# Altium PCB pcb.PcbDoc (continued)
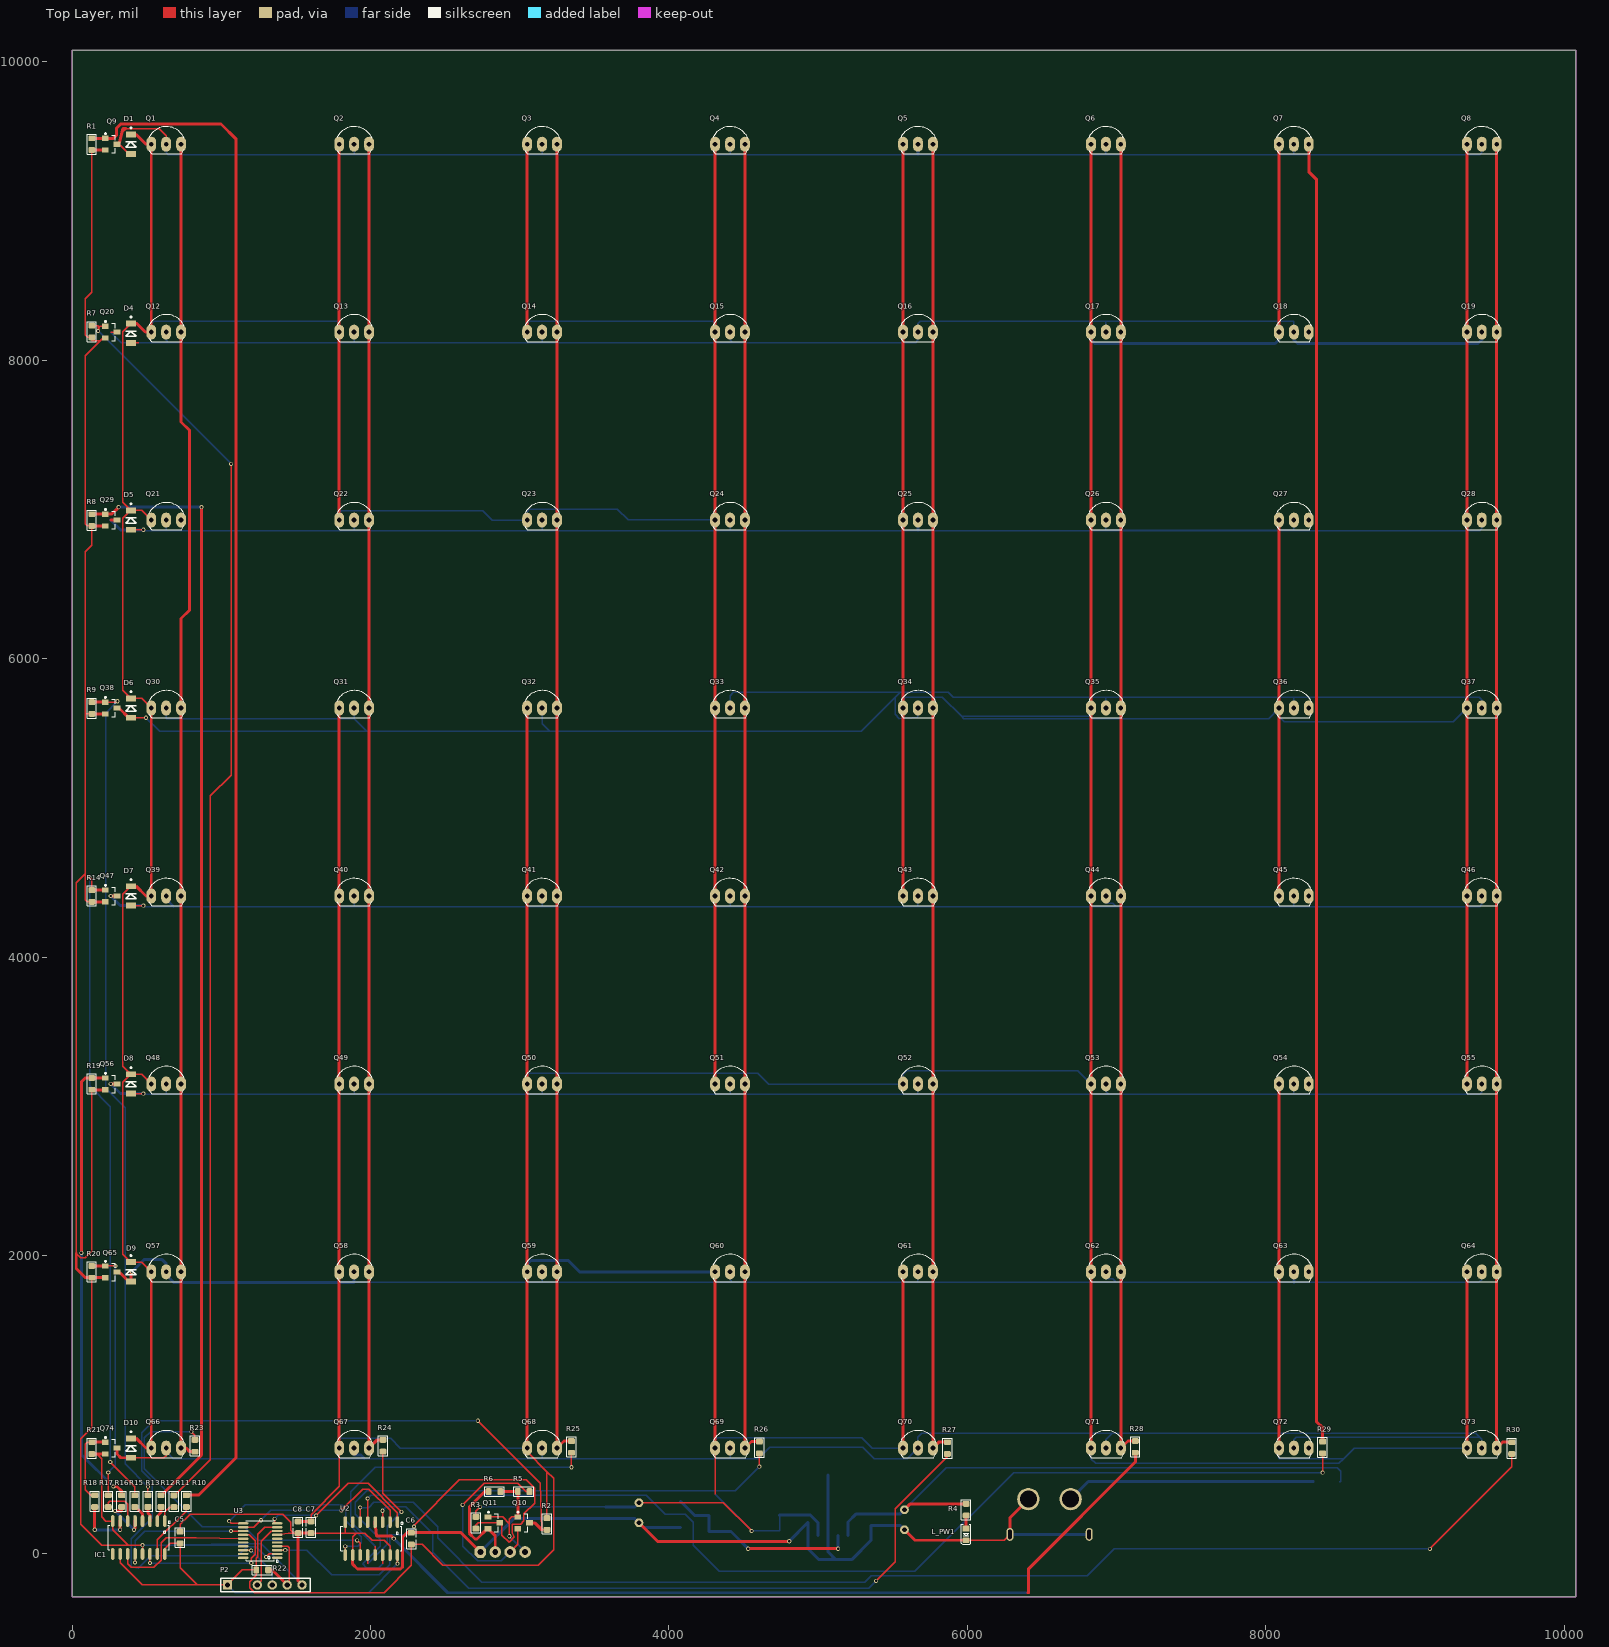
[diagram p0: Top Layer view]
## Footprints (in the part's own frame and the unit in brackets; to place one, negate y for a bottom-side part, rotate by r counter-clockwise, add the part's x,y. Pads: shape width x height; smd on the part's side, far side on the other; paste and mask are expansions set on the pad) (continued)
D_SMA [mm] "SMA Molded Diode, 2-Leads, Body 4.3x2.7mm, SOD-128"
  rect 2.2x1.6 smd: 1(-2.2,0)
  rrect50% 2.2x1.6 smd: 2(2.2,0)
  silkscreen extent -2.4,-1.5 2.88,1.5, body extent -2.75,-1.4 2.75,1.4, height 2.6
"Header Code Nuvoton 2.54 6P" [mm]
  rect 1.6x1.6 hole 0.9: 1(-6.35,0)
  round 1.6 on Top Overlay: 2(-3.81,0)
  round 1.6 hole 0.9: 3(-1.27,0) 4(1.27,0) 5(3.81,0) 6(6.35,0)
  silkscreen extent -7.49,-1.14 7.75,1.14
"LED 0805 Red" [mm]
  rect 1x1.2 smd: 1(-1,0)
  rrect50% 1x1.2 smd: 2(1,0)
  silkscreen extent -1.7,-0.8 1.7,0.8, body extent -1,-0.63 1,0.63, height 0.9
QTO-92 [mil] "TO-92"
  oval 66x100 hole 32: 1(-100,0) 2(0,0) 3(100,0)
  silkscreen extent -117,-65 120,118, body extent -109,-66 109,95, height 245
RES-SMD-0805 [mm]
  rrect50% 1x1.2 smd paste-0.1 mask+0.075: 1(-1,0) 2(1,0)
  Top Layer pour cut-out: -0.5,0.697 0.5,0.697 0.5,-0.713 -0.5,-0.713
  silkscreen extent -1.7,-0.8 1.7,0.8, body extent -1.15,-0.67 1.15,0.67, height 0.76
SO_16 [mm] "SOP, SOIC, 3.9mm width, 1.27mm pitch,"
  oval 2x0.6 smd: 1(-2.8,4.445) 2(-2.8,3.175) 3(-2.8,1.905) 4(-2.8,0.635) 5(-2.8,-0.635) 6(-2.8,-1.905) 7(-2.8,-3.175) 8(-2.8,-4.445) 9(2.8,-4.445) 10(2.8,-3.175) 11(2.8,-1.905) 12(2.8,-0.635) 13(2.8,0.635) 14(2.8,1.905) 15(2.8,3.175) 16(2.8,4.445)
  silkscreen extent -2.8,-5.2 2.1,5.4, body extent -3.1,-4.95 3.1,4.95, height 1.7
SOD80C_MFG [mm]
  rect 1x1.7 smd: 1(-1.65,0) 2(1.65,0)
  silkscreen extent -2.9,-0.89 0.51,0.89, body extent -1.75,-0.8 1.75,0.8, height 1.6
SOG65_20 [mm] "PW TSSOP (TI), MO-153-AC (JEDEC), 20Lead, pitch: 0.65mm, 6.5x4.4x1.2mm"
  oval 1.8x0.4 smd mask+0.075: 1(-2.9,2.925) 2(-2.9,2.275) 3(-2.9,1.625) 4(-2.9,0.975) 5(-2.9,0.325) 6(-2.9,-0.325) 7(-2.9,-0.975) 8(-2.9,-1.625) 9(-2.9,-2.275) 10(-2.9,-2.925) 11(2.9,-2.925) 12(2.9,-2.275) 13(2.9,-1.625) 14(2.9,-0.975) 15(2.9,-0.325) 16(2.9,0.325) 17(2.9,0.975) 18(2.9,1.625) 19(2.9,2.275) 20(2.9,2.925)
  silkscreen extent -3.1,-3.4 2.4,3.73, body extent -3.2,-3.25 3.2,3.25, height 1.2
"SOT23_N NXP" [mil] "SOT23, 3-Leads, Body 3x1.4mm, Pitch 0.95mm, IPC Medium Density"
  rect 45x35 smd: 1(-39.37,39.37) 2(-39.37,-39.37) 3(39.37,0)
  silkscreen extent -42,-59 28,76, body extent -50,-59 50,59, height 39
TO-263-5 [mil]
  rect 40x140 smd paste+0 mask+0: 1(-134.02,-202.85) 2(-67.01,-202.85) 3(0,-202.85) 4(67.01,-202.85) 5(134.02,-202.85)
  rect 419.69x329.92 smd paste+0 mask+0: 3(0,202.85)
  silkscreen extent -201,-208 201,23, body extent -193,-231 193,343, height 166
XH2.54_4P_RA [mm]
  oct 2x2 hole 1: 1(-3.81,0)
  round 2 hole 1: 2(-1.27,0) 3(1.27,0) 4(3.81,0)
  silkscreen extent -6.25,0.9 6.25,7.8, body extent -6.15,-0.34 6.15,7.7, height 5.84

## Part data
C1: library part "Cap Pol 470uF/35V", "Polarized Capacitor (Axial) 470uF 35V", Code=1402-231
C2 C4 C5 C6 C8: library part "Cap 0805 104 100nF", "Cap SMD 0805 104-100nF-0.1uF 50V", Code=1438-080
C3: library part "Cap Pol 220uF/35V", "Polarized Capacitor (Axial) 220uF 35V", Code=1402-228
C7: library part "Cap 0805 10uF 25V", "Cap SMD 0805 10uF", Code=1436-100
D1 D4 D5 D6 D7 D8 D9 D10: "0.2A, 100V, SOD80", Code=2001-012, Designed by=Nhox
D2 D3: library part SS34-SMA, "Surface-Mount Schottky Barrier Rectifier", Code=2005-008
IC1: library part "74HC595 SMD SO16", "Shift Register Single 8-Bit Serial to Serial/Parallel 16-Pin SOIC T/R", Code=5001-017, Designed by=nhox
L1: library part "IND CDRH127 1280-680 68uH", "CDRH127 Cu?n C?m Dán SMD 1280-680 68uH 3.2A", Code=1522-003
L_PW1: library part "LED 0805 RED", "LED 0805 SMD RED", Code=8600-017, Designed by=TranLuyen
P1: library part XH2.54_4P_RA, "XH2.54 RA", Code=3509-012
P2: library part "Header Code Nuvoton", "Header 6-5Pin"
Q1 Q2 Q3 Q4 Q5 Q6 Q7 Q8 Q12 Q13 Q14 Q15 Q16 Q17 Q18 Q19 Q21 Q22 Q23 Q24 Q25 Q26 Q27 Q28 Q30 Q31 Q32 Q33 Q34 Q35 Q36 Q37 Q39 Q40 Q41 Q42 Q43 Q44 Q45 Q46 Q48 Q49 Q50 Q51 Q52 Q53 Q54 Q55 Q57 Q58 Q59 Q60 Q61 Q62 Q63 Q64 Q66 Q67 Q68 Q69 Q70 Q71 Q72 Q73: library part "hall sensor A3144", "Sensitive Hall Effect Switches for High-Temperature Operation 4.5-24V", Code=6110-015, ComponentLink1Description=Datasheet, ComponentLink1URL=https://www.elecrow.com/download/A3141-2-3-4-Datasheet.pdf
Q9 Q20 Q29 Q38 Q47 Q56 Q65 Q74: library part "S8050 SOT-23", "J3Y-NPN SMD Transistor SOT23", Code=1701-070
Q10 Q11: library part "BSS138L SOT23", "Power MOSFET 200 mA, 50V, N-Channel SOT23", Code=1901-076
R1 R7 R8 R9 R10 R11 R12 R13 R14 R15 R16 R17 R18 R19 R20 R21 R23 R24 R25 R26 R27 R28 R29 R30: library part "Res 1k 0805", "Resistor SMD 0805", Code=1024-086
R2 R3 R4 R5 R6 R22: library part "Res 10k 0805", "Resistor SMD 0805", Code=1024-111
U1: "Vin 4.5-40VDC, Vout 5VDC, Iout MAX 3A", Code=5101-052
U2: library part 74HC165-SOIC-16, "IC Shift Register 1 Element 8 Bit, Complementary 16-SOIC", Code=5001-007, Designed by=nhox
U3: "MS51FB9AE, ROM 16KB, RAM 256B + 1KB, SPROM 128B, 1T 8051-based CMOS up to 24Mhz", Code=7201-019, Designed by=Nhox

## Via types
v1: diameter 27.56, hole 15.75, Top Layer to Bottom Layer, 59 vias

## Nets (pads, with @x,y where several pads share a name; then routed paths per layer and width w, separated by ;. In a path a pad name is that pad's centre, name@x,y a point inside that pad or via, vN(x,y) a via of type N, cw(c..) or ccw(c..) an arc to the next point about the centre after c; other vN are vias at no path point)
+3V3: P1.4 Q10.1 Q11.1 R5.2 R6.2 | length 774.9
  Top Layer w10: Q11.1 2885.19,247.2 2930.41,201.98 ; v1(2930.41,117.45) 2930.41,201.98 ; Q10.1 2944.79,247.2 2930.41,232.82 2930.41,201.98
  Top Layer w20: R6.2 2928.19,416.8 2928.51,416.48 R5.2 2986.9,331.82 Q10.1
  Bottom Layer w10: v1(2930.41,117.45) P1.4
+5: C3.1 C4.2 C5.2 C6.2 C7.1 C8.1 D1.1 D4.1 D5.1 D6.1 D7.1 D8.1 D9.1 D10.1 IC1.10 IC1.16 L1.2 P2.1 Q1.1 Q2.1 Q3.1 Q4.1 Q5.1 Q6.1 Q7.1 Q8.1 Q12.1 Q13.1 Q14.1 Q15.1 Q16.1 Q17.1 Q18.1 Q19.1 Q21.1 Q22.1 Q23.1 Q24.1 Q25.1 Q26.1 Q27.1 Q28.1 Q30.1 Q31.1 Q32.1 Q33.1 Q34.1 Q35.1 Q36.1 Q37.1 Q39.1 Q40.1 Q41.1 Q42.1 Q43.1 Q44.1 Q45.1 Q46.1 Q48.1 Q49.1 Q50.1 Q51.1 Q52.1 Q53.1 Q54.1 Q55.1 Q57.1 Q58.1 Q59.1 Q60.1 Q61.1 Q62.1 Q63.1 Q64.1 Q66.1 Q67.1 Q68.1 Q69.1 Q70.1 Q71.1 Q72.1 Q73.1 R2.2 R3.2 R22.1 U1.4 U2.16 U3.9 | length 93904.2
  Top Layer w10: IC1.10 321.3,-59.29 470.67,-208.66 838.19,-208.66 ; D7.1 340.19,4420.46 340.19,3268.51 D8.1 ; D4.1 340.19,8192.12 340.19,7048.04 D5.1 ; Q57.1 464.96,1954.72 D9.1 340.19,2008.67 340.19,3160.62 D8.1 ; Q48.1 464.96,3214.57 D8.1 ; Q30.1 464.96,5734.25 D6.1 340.19,5788.2 340.19,6940.15 D5.1 ; Q21.1 464.96,6994.09 D5.1 ; IC1.16 621.3,33.31 657.68,69.7 C5.2 723.75,-94.23 838.19,-208.66 ; U3.9 1291.33,177.96 1244.03,130.66 1244.03,-20.99 1234.12,-30.9 R22.1 ; C7.1 1601.18,262.82 1789.76,451.4 Q67.1 ; v1(2180.19,-66.18) 2180.44,-65.93 U2.16 ; R3.2 2706.3,285.82 v1(2734.6,314.12) ; Q68.1 3049.61,682.4 3182.6,549.4 ; R2.2 3182.6,549.4 ; C3.1 4365.58,341.68 v1(4554.45,152.82) ; 4309.45,397.82 Q69.1 ; 838.19,-208.66 P2.1 1141.1,-108.45 R22.1 ; R22.1 1234.12,-142.25 1189.19,-187.18 1189.19,-227.18 1222.19,-260.18 2091.39,-260.18 2273.09,-78.49 C6.2 2345.19,62.51 2482.88,-75.18 3125.19,-75.18 3227.19,26.82 3227.19,504.82 3182.6,549.4
  Top Layer w20: D10.1 429.19,773.62 494.15,708.66 Q66.1 Q57.1 ; D7.1 429.19,4474.41 494.15,4409.45 Q39.1 Q30.1 ; D4.1 433.19,8246.06 490.27,8188.98 Q12.1 Q1.1 494.15,9448.82 429.19,9513.78 D1.1 ; C8.1 C7.1 ; Q67.1 Q58.1 Q49.1 1789.19,3149.61 1789.19,4309.24 1789.76,4309.82 Q40.1 Q31.1 ; Q22.1 Q13.1 Q2.1 ; Q68.1 Q59.1 Q50.1 Q41.1 Q32.1 ; Q14.1 Q3.1 ; Q69.1 Q60.1 ; Q51.1 Q42.1 Q33.1 4309.19,5669.29 4309.19,6911.56 4309.45,6911.82 Q24.1 Q15.1 4309.19,8188.98 4309.19,9431.56 4309.45,9431.82 Q4.1 ; Q70.1 Q61.1 ; Q43.1 Q34.1 Q25.1 Q16.1 Q5.1 ; Q71.1 Q62.1 Q53.1 Q44.1 Q35.1 Q26.1 Q17.1 Q6.1 ; Q72.1 Q63.1 Q54.1 ; Q45.1 Q36.1 Q27.1 ; Q18.1 Q7.1 ; Q73.1 Q64.1 ; Q55.1 Q46.1 Q37.1 9348.19,5669.29 9348.19,6820.19 9348.82,6820.82 Q28.1 Q19.1 Q8.1
  Bottom Layer w10: Q12.1 529.92,8246.55 545.19,8261.82 1775.19,8261.82 1789.76,8247.24 Q13.1 ; P2.1 1092.41,-260.18 1986.19,-260.18 v1(2180.19,-66.18) ; Q67.1 1789.76,762.82 1799.76,772.82 2136.19,772.82 2200.19,708.82 3049.61,708.82 Q68.1 ; Q22.1 1799.76,6992.82 2753.19,6992.82 2817.19,6928.82 3049.61,6928.82 Q23.1 3049.61,6986.24 3065.19,7001.82 3654.19,7001.82 3726.19,6929.82 4309.45,6929.82 Q24.1 ; v1(2734.6,314.12) C4.2 ; Q50.1 3049.61,3206.24 3065.19,3221.82 4309.45,3221.82 ; Q14.1 3049.61,8246.24 3065.19,8261.82 4295.19,8261.82 4309.45,8247.56 Q15.1 ; 4309.45,397.82 v1(4554.45,152.82) 4742.02,152.82 L1.2 ; Q69.1 4309.45,763.08 4325.19,778.82 5292.19,778.82 5363.19,707.82 5569.29,707.82 Q70.1 ; Q51.1 4309.45,3221.82 ; Q34.1 5569.29,5725.92 5585.19,5741.82 5833.19,5741.82 5962.24,5612.76 ; Q71.1 6829.13,637.82 6861.13,605.82 8491.19,605.82 8523.19,637.82 ; Q53.1 6829.13,3149.82 6741.13,3237.82 5594.29,3237.82 5569.29,3212.82 Q52.1 5569.29,3148.82 4669.19,3148.82 4596.19,3221.82 4309.45,3221.82 ; Q35.1 6829.13,5612.76 5962.24,5612.76 ; Q72.1 8088.98,637.82 8523.19,637.82 ; Q36.1 Q36.1@8088.98,5668.82 ; Q73.1 9348.82,708.82 8594.19,708.82 8523.19,637.82 ; Q37.1 9348.82,5668.82 9256.82,5576.82 8124.98,5576.82 8088.98,5612.82 Q36.1@8088.98,5668.82 ; 5962.24,5612.76 5976.19,5598.82 8018.98,5598.82 Q36.1@8088.98,5668.82
  Bottom Layer w20: Q59.1 3049.61,1940.24 3075.19,1965.82 3325.19,1965.82 3402.19,1888.82 4309.45,1888.82 Q60.1 ; C4.2 3771.65,314.12 C3.1 ; L1.2 4742.02,258.82 4949.19,258.82 4999.92,208.09 U1.4 ; Q17.1 6829.13,8137.82 6854.13,8112.82 8063.98,8112.82 8088.98,8137.82 Q18.1
+24: C1.1 C2.2 D2.2 R4.1 U1.1 | length 4064
  Top Layer w20: C1.1 5618.19,334.86 R4.1
  Bottom Layer w10: C1.1 5859.15,575.82 8481.19,575.82 8504.19,552.82 8504.19,484.25 D2.2
  Bottom Layer w20: U1.1 5200.94,212.82 5256.06,267.93 C2.2 5551.26,267.93 C1.1
+24IN: CN1.2 D2.1 | length 1674.8
  Bottom Layer w20: CN1.2 6810.79,484.25 D2.1
CLK_I: U2.2 U3.12 | length 1228.3
  Top Layer w10: U3.12 1218.33,177.96 v1(1265.19,224.82) ; v1(1804.19,290.82) 1946.19,432.82 1989.23,432.82 2130.44,291.61 U2.2
  Bottom Layer w10: v1(1265.19,224.82) 1331.19,290.82 v1(1804.19,290.82)
CLK_O: IC1.11 U3.15 | length 1000.2
  Top Layer w10: IC1.11 371.3,-67.18 395.3,-91.18 547.19,-91.18 596.19,-42.18 596.19,72.82 631.19,107.82 831.56,107.82 U3.15
D0: Q1.3 Q12.3 Q30.3 Q39.3 Q48.3 Q57.3 Q66.3 R23.2 | length 8890.6
  Top Layer w20: Q1.3 Q12.3 729.92,7587.09 787.19,7529.82 787.19,6327.09 729.92,6269.82 Q30.3 Q39.3 Q48.3 Q57.3 Q66.3 764.19,708.66 788.56,684.29 R23.2
D1: Q2.3 Q13.3 Q22.3 Q31.3 Q40.3 Q49.3 Q58.3 Q67.3 R24.2 | length 8855.9
  Top Layer w20: Q2.3 Q13.3 Q22.3 Q31.3 Q40.3 Q49.3 Q58.3 Q67.3 2044.89,763.78 R24.2
D2: Q3.3 Q14.3 Q23.3 Q32.3 Q41.3 Q50.3 Q59.3 Q68.3 R25.2 | length 8856.6
  Top Layer w20: Q3.3 Q14.3 Q23.3 Q32.3 Q41.3 Q50.3 Q59.3 Q68.3 3296.85,755.91 R25.2
D3: Q4.3 Q15.3 Q24.3 Q33.3 Q42.3 Q51.3 Q60.3 Q69.3 R26.2 | length 8854.9
  Top Layer w20: Q4.3 Q15.3 Q24.3 Q33.3 Q42.3 Q51.3 Q60.3 Q69.3 4552.66,751.87 R26.2
D4: Q5.3 Q16.3 Q25.3 Q34.3 Q43.3 Q52.3 Q61.3 Q70.3 R27.2 | length 8853.3
  Top Layer w20: Q5.3 Q16.3 Q25.3 Q34.3 Q43.3 Q52.3 Q61.3 Q70.3 5808.66,748.03 R27.2
D5: Q6.3 Q17.3 Q26.3 Q35.3 Q44.3 Q53.3 Q62.3 Q71.3 R28.2 | length 8856.6
  Top Layer w20: Q6.3 Q17.3 Q26.3 Q35.3 Q44.3 Q53.3 Q62.3 Q71.3 7076.38,755.91 R28.2
D6: Q7.3 R29.2 | length 8735.3
  Top Layer w20: Q7.3 8288.98,9263.82 8342.19,9210.61 8342.19,883.82 8381.89,844.12 R29.2
D7: Q8.3 Q19.3 Q28.3 Q37.3 Q46.3 Q55.3 Q64.3 Q73.3 R30.2 | length 8857.3
  Top Layer w20: Q8.3 Q19.3 Q28.3 Q37.3 Q46.3 Q55.3 Q64.3 Q73.3 9588.19,748.03 R30.2
DAT_I: U2.9 U3.11 | length 1383.5
  Top Layer w10: v1(1052.19,218.82) 1067.45,203.55 U3.11 ; U2.9 v1(1830.44,49.82)
  Bottom Layer w10: v1(1052.19,218.82) 1161.19,327.82 1805.19,327.82 1833.19,299.82 1833.19,220.82 1938.19,115.82 1938.19,72.82 1915.19,49.82 v1(1830.44,49.82)
DAT_O: IC1.14 U3.14 | length 996
  Top Layer w10: v1(521.3,-62.18) IC1.14 ; U3.14 1185.19,126.78 1226.03,85.94 1226.03,-2.81 1200.19,-28.65 v1(1200.19,-62.18)
  Bottom Layer w10: v1(521.3,-62.18) v1(1200.19,-62.18)
GND: C1.2 C2.1 C3.2 C4.1 C5.1 C6.1 C7.2 C8.2 CN1.1 CN1.3 CN1.4 D3.1 IC1.8 IC1.13 L_PW1.2 P1.1 P2.6 Q9.2 Q20.2 Q29.2 Q38.2 Q47.2 Q56.2 Q65.2 Q74.2 R1.2 R7.2 R8.2 R9.2 R14.2 R19.2 R20.2 R21.2 U1.3 U1.5 U2.8 U2.10 U2.15 U3.7 | length 24300.9
  Top Layer w10: R21.2 165.19,669.29 197.19,637.29 197.19,246.82 225.19,218.82 IC1.8@271.3,218.82 ; R20.2 131.38,843.82 57.19,769.63 57.19,198.93 198.3,57.82 376.19,57.82 ; R19.2 131.38,2027.56 87.19,1983.37 56.63,1983.37 27.19,2012.82 27.19,4496.82 87.19,4556.82 ; R14.2 99.93,4370.07 87.19,4382.82 87.19,4556.82 ; R9.2 87.19,5629.92 ; R1.2 131.38,8456.01 87.19,8411.82 87.19,8171.54 105.19,8153.54 R7.2 131.38,8130.86 188.81,8130.86 ; Q20.2 207.55,8149.61 188.81,8130.86 ; IC1.8 IC1.8@271.3,218.82 ; IC1.13 v1(471.3,57.82) 376.19,57.82 ; C5.1 723.75,197.33 792.24,265.82 1411.19,265.82 1464.19,212.82 1464.19,159.25 1485.19,138.25 ; U3.7 1449.66,138.25 1485.19,138.25 ; C8.2 1485.19,138.25 ; C7.2 1830.44,138.25 ; U2.8 1830.44,138.25 ; U2.10 1880.44,113.51 1905.19,138.25 ; U2.15 2130.44,49.82 2090.22,90.04 2010.41,90.04 1962.19,138.25 1905.19,138.25 ; L_PW1.2 6246.06,90.77 CN1.4 ; 87.19,4556.82 87.19,5629.92 ; 87.19,5629.92 87.19,6715.63 131.38,6759.82 R8.2 100.25,6889.76 87.19,6902.82 87.19,8029.24 188.81,8130.86 ; IC1.8@271.3,218.82 271.3,162.71 376.19,57.82 ; 1830.44,138.25 1905.19,138.25
  Top Layer w20: 27.19,2012.82 27.19,1912.82 89.62,1850.39 R20.2 175.19,1850.39 Q65.2 ; R21.2 197.19,669.29 Q74.2 ; R19.2 175.19,3110.24 Q56.2 ; R14.2 175.19,4370.08 Q47.2 ; R9.2 175.19,5629.92 Q38.2 ; R8.2 175.19,6889.76 Q29.2 ; R1.2 175.19,9409.45 Q9.2 ; P2.6 1514.57,-182.34 C8.2 C7.2 ; U2.10 1880.44,-69.44 1912.19,-101.18 2201.19,-101.18 2215.19,-87.18 2215.19,112.82 2243.62,141.25 C6.1 2606.6,141.25 P1.1 ; C3.2 3923.22,83.82 v1(4806.19,83.82) ; C1.2 5649.69,90.77 L_PW1.2 ; CN1.4 6285.43,242.35 CN1.1
  Bottom Layer w10: P2.6 1265.63,66.6 1163.19,66.6 ; 1163.19,66.6 v1(471.3,57.82) 1154.41,57.82 1163.19,66.6
  Bottom Layer w20: P1.1 2959.18,235.38 C4.1 3771.65,235.38 C3.2 3829.65,177.38 D3.1 ; v1(4806.19,83.82) 4932.91,210.54 U1.5 4932.91,33.54 5005.64,-39.18 5118.93,-39.18 ; U1.3@5066.93,527.87 5066.93,122.16 5066.93,12.82 5118.93,-39.18 ; C1.2 5551.26,189.19 C2.1 5354.33,89.96 5225.19,-39.18 5118.93,-39.18 ; CN1.4 CN1.3
ICP_CLK: P2.4 U3.18 | length 343.8
  Top Layer w10: U3.18 1196.59,24.42 v1(1199.19,21.82)
  Bottom Layer w10: v1(1199.19,21.82) 1340.89,-119.88 P2.4
ICP_DA: P2.3 U3.8 | length 438.9
  Top Layer w10: P2.3 1267.19,-182.36 1267.19,84.37 1335.19,152.37 U3.8
LAT_I: U2.1 U3.10 | length 1114.3
  Top Layer w10: v1(1357.19,233.82) 1357.19,203.55 U3.10 ; v1(1635.19,256.82) 1850.19,471.82 1985.19,471.82 2180.44,276.56 U2.1
  Bottom Layer w10: v1(1357.19,233.82) 1380.19,256.82 v1(1635.19,256.82)
LAT_O: IC1.12 U3.13 | length 955.4
  Top Layer w10: v1(421.19,-58.73) 421.3,-58.62 IC1.12 ; v1(1064.19,152.37) U3.13
  Bottom Layer w10: v1(421.19,-58.73) 421.19,87.82 485.74,152.37 v1(1064.19,152.37)
NetD1_2: D1.2 Q1.2 Q2.2 Q3.2 Q4.2 Q5.2 Q6.2 Q7.2 Q8.2 Q9.3 | length 10075.7
  Top Layer w10: D1.2 379.15,9383.86 314.19,9448.82 340.19,9532.82 360.83,9553.46 582.54,9553.46 629.92,9506.09 Q1.2
  Top Layer w20: Q9.3 314.19,9448.82 340.19,9553.46 360.83,9553.46
  Bottom Layer w10: Q1.2 629.92,9392.82 643.92,9378.82 1889.76,9378.82 ; Q2.2 1889.76,9378.82 ; Q3.2 3149.61,9378.82 ; Q4.2 4409.45,9378.82 ; Q6.2 6929.13,9378.82 ; Q7.2 8188.98,9378.82 ; Q8.2 9448.82,9392.45 9435.19,9378.82 8188.98,9378.82 ; 1889.76,9378.82 3149.61,9378.82 ; 3149.61,9378.82 4409.45,9378.82 ; 4409.45,9378.82 5669.29,9378.82 6929.13,9378.82 ; 6929.13,9378.82 8188.98,9378.82
  Bottom Layer w20: 5669.29,9378.82 Q5.2
NetD3_2: D3.2 L1.1 U1.2 | length 1338.8
  Top Layer w20: v1(4531.19,33.82) v1(5133.94,33.82)
  Bottom Layer w20: D3.2 4171.26,258.09 L1.1 4269.58,148.82 4416.19,148.82 v1(4531.19,33.82) ; v1(5133.94,33.82) U1.2
NetD4_2: D4.2 Q12.2 Q13.2 Q14.2 Q15.2 Q16.2 Q17.2 Q18.2 Q19.2 Q20.3 | length 11258.3
  Top Layer w10: 259.03,8188.98 Q20.3 ; D4.2 446.19,8116.14
  Bottom Layer w10: 259.03,8188.98 329.19,8118.82 446.19,8118.82 ; 446.19,8116.14 446.19,8118.82 ; Q12.2 629.92,8132.82 643.92,8118.82 ; Q13.2 1889.76,8118.82 ; Q14.2 3149.61,8118.82 ; Q15.2 4409.45,8137.82 4423.45,8118.82 ; Q17.2 6929.13,8260.82 ; Q18.2 8188.98,8261.82 ; 446.19,8118.82 643.92,8118.82 ; 643.92,8118.82 1889.76,8118.82 ; 1889.76,8118.82 3149.61,8118.82 ; 3149.61,8118.82 4423.45,8118.82 ; 4423.45,8118.82 5655.29,8118.82 5669.29,8132.82 Q16.2 5669.29,8244.92 5685.19,8260.82 6929.13,8260.82 ; 6929.13,8260.82 6929.13,8261.82 8188.98,8261.82 ; 6929.13,8260.82 8188.98,8261.82
  Bottom Layer w20: Q18.2 8188.98,8137.82 8213.98,8112.82 9423.82,8112.82 9448.82,8137.82 Q19.2
NetD5_2: D5.2 Q21.2 Q22.2 Q23.2 Q24.2 Q25.2 Q26.2 Q27.2 Q28.2 Q29.3 | length 12403
  Top Layer w10: D5.2 v1(477.19,6864.17)
  Top Layer w20: 258.5,6929.13 Q29.3
  Bottom Layer w10: v1(477.19,6864.17) 477.19,6863.82 482.54,6858.82 629.92,6858.82 ; Q21.2 629.92,6858.82 ; Q22.2 1889.76,6858.82 ; Q23.2 3149.61,6858.82 ; Q24.2 4409.45,6858.82 ; Q26.2 6929.13,6860.22 8188.98,6859.51 ; Q27.2 8188.98,6859.51 ; Q28.2 9448.82,6872.45 9435.19,6858.82 ; 629.92,6858.82 1889.76,6858.82 ; 1889.76,6858.82 3149.61,6858.82 ; 3149.61,6858.82 4409.45,6858.82 ; 4409.45,6858.82 5669.29,6858.82 9435.19,6858.82 ; 8188.98,6859.51 9435.19,6858.82
  Bottom Layer w20: 258.5,6929.13 258.19,6928.82 323.19,6863.82 v1@477.19,6863.82 ; 5669.29,6858.82 Q25.2
NetD6_2: D6.2 Q30.2 Q31.2 Q32.2 Q33.2 Q34.2 Q35.2 Q36.2 Q37.2 Q38.3 | length 12814.2
  Top Layer w10: D6.2 v1(494.68,5604.33)
  Top Layer w20: Q38.3 314.19,5669.29 379.15,5604.33 D6.2
  Bottom Layer w10: v1(494.68,5604.33) 586.19,5512.82 1975.76,5512.82 ; Q30.2 629.92,5598.82 1889.76,5598.82 ; Q31.2 1889.76,5598.82 ; Q32.2 3149.61,5562.82 3199.61,5512.82 ; Q33.2 4409.45,5752.82 4430.45,5773.82 5550.19,5773.82 ; Q34.2 5669.29,5608.92 5545.19,5598.82 5516.19,5627.82 5516.19,5739.82 ; Q35.2 6929.13,5741.82 ; Q36.2 8188.98,5741.82 ; Q37.2 9448.82,5726.19 9433.19,5741.82 8188.98,5741.82 ; 1889.76,5598.82 1975.76,5512.82 ; 1975.76,5512.82 3199.61,5512.82 ; 3199.61,5512.82 5289.19,5512.82 5516.19,5739.82 ; 5516.19,5739.82 5550.19,5773.82 ; 5550.19,5773.82 5873.19,5773.82 5905.19,5741.82 6929.13,5741.82 ; 6929.13,5741.82 8188.98,5741.82
NetD7_2: D7.2 Q39.2 Q40.2 Q41.2 Q42.2 Q43.2 Q44.2 Q45.2 Q46.2 Q47.3 | length 9977.3
  Top Layer w10: D7.2 v1(477.19,4344.49)
  Top Layer w20: v1(258.19,4409.45) Q47.3
  Bottom Layer w10: v1(477.19,4344.49) 482.86,4338.82 679.19,4338.82 1889.76,4338.82 ; Q40.2 1889.76,4338.82 ; Q41.2 3149.61,4338.82 ; Q42.2 4409.45,4338.82 ; Q43.2 5669.29,4338.82 ; Q44.2 6929.13,4361.82 6975.19,4361.82 6998.19,4338.82 ; Q45.2 8188.98,4338.82 ; Q46.2 9448.82,4352.45 9435.19,4338.82 8188.98,4338.82 ; 1889.76,4338.82 3149.61,4338.82 ; 3149.61,4338.82 4409.45,4338.82 ; 4409.45,4338.82 5669.29,4338.82 ; 5669.29,4338.82 6998.19,4338.82 ; 6998.19,4338.82 8188.98,4338.82
  Bottom Layer w20: v1(258.19,4409.45) 322.82,4344.82 446.19,4344.82 v1(477.19,4344.49) ; Q39.2 629.92,4388.09 679.19,4338.82
NetD8_2: D8.2 Q48.2 Q49.2 Q50.2 Q51.2 Q52.2 Q53.2 Q54.2 Q55.2 Q56.3 | length 9911
  Top Layer w10: D8.2 v1(477.19,3084.64)
  Top Layer w20: v1(258.19,3149.61) Q56.3
  Bottom Layer w10: v1(477.19,3084.64) 483.01,3078.82 629.92,3078.82 ; Q48.2 629.92,3078.82 ; Q49.2 1889.76,3078.82 ; Q50.2 3149.61,3078.82 ; Q51.2 4409.45,3078.82 ; Q52.2 5669.29,3078.82 ; Q53.2 6929.13,3098.82 6949.13,3078.82 ; Q54.2 8188.98,3078.82 ; Q55.2 9448.82,3092.45 9435.19,3078.82 8188.98,3078.82 ; 629.92,3078.82 1889.76,3078.82 ; 1889.76,3078.82 3149.61,3078.82 ; 3149.61,3078.82 4409.45,3078.82 ; 4409.45,3078.82 5669.29,3078.82 ; 5669.29,3078.82 6949.13,3078.82 ; 6949.13,3078.82 8188.98,3078.82
  Bottom Layer w20: v1(258.19,3149.61) 322.98,3084.82 446.19,3084.82 v1(477.19,3084.64)
NetD9_2: D9.2 Q57.2 Q58.2 Q59.2 Q60.2 Q61.2 Q62.2 Q63.2 Q64.2 Q65.3 | length 9928.2
  Top Layer w20: Q65.3 314.19,1889.76 379.15,1824.8 D9.2 394.13,1882.76 v1(401.19,1889.82)
  Bottom Layer w10: 1889.76,1818.82 3149.61,1818.82 ; Q59.2 3149.61,1818.82 ; Q60.2 4409.45,1835.34 4425.97,1818.82 ; Q61.2 5669.29,1818.82 ; Q62.2 6929.13,1842.82 6975.19,1842.82 6999.19,1818.82 ; Q64.2 9448.82,1837.82 9429.82,1818.82 8188.98,1818.82 6999.19,1818.82 ; 3149.61,1818.82 4425.97,1818.82 ; 4425.97,1818.82 5669.29,1818.82 ; 5669.29,1818.82 6999.19,1818.82
  Bottom Layer w20: v1(401.19,1889.82) 485.19,1973.82 600.19,1973.82 629.92,1944.09 Q57.2 629.92,1869.09 680.19,1818.82 1889.76,1818.82 Q58.2 ; 8188.98,1818.82 Q63.2
NetD10_2: D10.2 Q66.2 Q67.2 Q68.2 Q69.2 Q70.2 Q71.2 Q72.2 Q73.2 Q74.3 | length 11242
  Top Layer w10: D10.2 615.19,643.7 629.92,658.43 Q66.2
  Top Layer w20: Q74.3 299.64,669.24 325.19,643.7 D10.2
  Bottom Layer w10: Q66.2 629.92,686.09 678.19,637.82 1959.19,637.82 3149.61,637.82 ; Q68.2 3149.61,637.82 ; Q69.2 4409.45,637.82 ; Q71.2 6929.13,762.82 6973.13,806.82 ; Q72.2 8188.98,764.61 8205.19,780.82 9435.19,780.82 ; Q73.2 9448.82,767.19 9435.19,780.82 ; 3149.61,637.82 4409.45,637.82 ; 4409.45,637.82 4599.1,637.82 4675.1,713.82 5300.82,713.82 5376.82,637.82 5598.45,637.82 Q70.2 5669.29,780.82 5695.29,806.82 6973.13,806.82 ; 6973.13,806.82 9409.19,806.82 9435.19,780.82
  Bottom Layer w20: Q67.2 1889.76,660.82 1936.19,660.82 1959.19,637.82
NetIC1_1: IC1.1 R11.2 | length 134.7
  Top Layer w10: IC1.1 621.3,280.73 653.3,312.73 R11.2
NetIC1_2: IC1.2 R12.2 | length 104.7
  Top Layer w20: IC1.2 571.3,253.82 595.91,278.43 R12.2
NetIC1_3: IC1.3 R13.2 | length 100.1
  Top Layer w20: R13.2 507.72,272.4 521.3,258.82 IC1.3
NetIC1_4: IC1.4 R15.2 | length 119.3
  Top Layer w20: R15.2 425.33,313.79 471.3,267.82 IC1.4
NetIC1_5: IC1.5 R16.2 | length 311.2
  Top Layer w20: v1(287.19,287.82) 331.34,287.82 R16.2 ; v1(414.19,160.82) 421.3,167.93 IC1.5
  Bottom Layer w20: v1(287.19,287.82) v1(414.19,160.82)
NetIC1_6: IC1.6 R17.2 | length 284.7
  Top Layer w10: R17.2 241.58,342.82 251.58,352.82 351.3,352.82 371.3,332.82 IC1.6
NetIC1_7: IC1.7 R18.2 | length 381.7
  Top Layer w20: v1(151.02,160.82) R18.2 ; v1(321.19,160.82) 321.3,160.93 IC1.7
  Bottom Layer w20: v1(151.02,160.82) v1(321.19,160.82)
NetIC1_15: IC1.15 R10.2 | length 395.3
  Top Layer w10: IC1.15 571.3,92.82 765.2,286.72 R10.2
NetL_PW1_1: L_PW1.1 R4.2 | length 86.7
  Top Layer w20: L_PW1.1 5991.81,211.82 5992.13,212.14 R4.2
NetR23_1: R23.1 U2.11 | length 2338.4
  Top Layer w10: v1(799.19,818.82) 822.84,795.17 R23.1 ; v1(1910.19,89.82) 1930.44,69.56 U2.11
  Bottom Layer w10: v1(799.19,818.82) 525.19,818.82 483.19,776.82 483.19,569.82 871.19,181.82 1152.19,181.82 1244.19,89.82 v1(1910.19,89.82)
NetR24_1: R24.1 U2.12 | length 954
  Top Layer w10: 1980.44,-65.93 U2.12 ; R24.1 2082.67,405.33 v1(2207.19,280.82)
  Bottom Layer w10: 1980.44,-65.93 2110.41,64.04 2110.41,184.04 v1(2207.19,280.82)
NetR25_1: R25.1 U2.13 | length 2137.4
  Top Layer w10: U2.13 2030.44,49.56 ; v1(3346.45,579.82) R25.1
  Bottom Layer w10: 2030.44,49.56 1866.66,213.34 1866.66,416.29 2030.19,579.82 v1(3346.45,579.82)
NetR26_1: R26.1 U2.14 | length 3641.4
  Top Layer w10: 2080.44,-65.93 U2.14 ; v1(4606.3,583.82) R26.1
  Bottom Layer w10: 2080.44,-65.93 2054.19,-92.18 1971.19,-92.18 1946.19,-67.18 2063.97,50.6 2063.97,97.04 1896.66,264.34 1896.66,345.29 1974.19,422.82 4445.3,422.82 v1(4606.3,583.82)
NetR27_1: R27.1 U2.3 | length 4764.2
  Top Layer w10: U2.3 v1(2080.44,288.3) ; v1(5389.19,-181.18) 5518.19,-52.18 5518.19,300.82 5866.14,648.77 R27.1
  Bottom Layer w10: v1(2080.44,288.3) 2106.74,314.6 2237.19,314.6 2416.77,135.01 2416.77,9.42 2657.38,-231.18 5339.19,-231.18 v1(5389.19,-181.18)
NetR28_1: R28.1 U2.4 | length 5854
  Top Layer w20: U2.4 2040.41,120.04 2136.97,120.04 v1(2155.19,101.82) ; 6408.19,-261.18 6411.19,-258.18 6411.19,-100.18 7125.98,614.61 R28.1
  Bottom Layer w20: v1(2155.19,101.82) 2518.19,-261.18 6408.19,-261.18
NetR29_1: R29.1 U2.5 | length 7273.9
  Top Layer w10: U2.5 v1(1980.44,370.82) ; v1(8381.89,543.82) R29.1
  Bottom Layer w10: v1(1980.44,370.82) 2001.44,391.82 3849.19,391.82 3976.19,264.82 4110.19,264.82 4162.19,212.82 4162.19,57.82 4337.41,-117.4 5648.97,-117.4 6310.19,543.82 v1(8381.89,543.82)
NetR30_1: R30.1 U2.6 | length 8504.1
  Top Layer w10: U2.6 v1(1930.44,309.82) ; v1(9100.6,32.82) 9649.6,581.82 R30.1
  Bottom Layer w10: v1(1930.44,309.82) 1987.99,309.82 2022.77,344.6 2287.18,344.6 2449.3,182.48 2449.3,105.82 2744.3,-189.18 5313.63,-189.18 5355.41,-147.4 6804.97,-147.4 6985.19,32.82 v1(9100.6,32.82)
RST: P2.5 R22.2 U3.4 | length 512
  Top Layer w10: U3.4 1408.19,50.01 1410,51.82 1445.19,51.82 1455.19,41.82 1455.19,-194.36 P2.5
  Top Layer w20: R22.2 1340.68,-108.45 P2.5
RX3.3V: P1.2 Q11.2 R6.1 | length 693.1
  Top Layer w20: R6.1 2766.17,416.8 2662.19,312.82 2662.19,137.82 2700.19,99.82 2713.55,99.82 2782.19,168.46 Q11.2 2835.83,120.03 P1.2
RX5V: Q11.3 R3.1 U3.3 | length 3032.9
  Top Layer w10: U3.3 1427.79,24.42 v1(1428.19,24.82) ; v1(2291.19,182.82) 2291.19,191.82 2594.19,494.82 3045.19,494.82 3099.19,440.82 3099.19,339.82 3026.19,266.82 3026.19,219.96 3005.19,198.96 2951.4,198.96 2951.4,137.96 2964.21,112.82 2929.21,77.82 2880.19,122.82 2880.19,207.83 Q11.3 2721.31,207.83 2706.3,192.82 R3.1
  Bottom Layer w10: v1(1428.19,24.82) 1571.19,24.82 1738.19,-142.18 2058.19,-142.18 2128.41,-71.96 2128.41,128.82 2237.19,128.82 v1(2291.19,182.82)
T1: Q9.1 R1.1 R10.1 | length 10350.8
  Top Layer w20: R1.1 175.19,9488.19 Q9.1 275.19,9488.19 295.42,9508.42 295.42,9553.7 325.19,9583.46 997.54,9583.46 1099.19,9481.82 1099.19,645.82 845.9,392.53 R10.1
T2: Q20.1 R7.1 R11.1 | length 8484.2
  Top Layer w10: R7.1 173.19,8232.28 v1(174.19,8196.82) 185.19,8228.35 Q20.1 ; R11.1 688.84,391.47 926.19,628.82 926.19,5079.82 1065.19,5218.82 v1(1065.19,7305.82)
  Bottom Layer w10: v1(174.19,8196.82) v1(1065.19,7305.82)
T3: Q29.1 R8.1 R12.1 | length 7492.8
  Top Layer w20: R8.1 175.19,6968.5 Q29.1 264.19,6968.5 v1(311.5,7015.82) ; R12.1 598.9,392.53 867.19,660.82 v1(867.19,7015.82)
  Bottom Layer w20: v1(311.5,7015.82) v1(867.19,7015.82)
T4: Q38.1 R9.1 R13.1 | length 5646.8
  Top Layer w10: Q38.1 297.03,5708.66 v1(303.19,5714.82) ; R13.1 v1(507.72,449.82)
  Top Layer w20: R9.1 175.19,5708.66 Q38.1
  Bottom Layer w10: v1(303.19,5714.82) 224.19,5635.82 224.19,3120.82 355.19,2989.82 355.19,602.35 v1(507.72,449.82)
T5: Q47.1 R14.1 R15.1 | length 4454.9
  Top Layer w10: v1(117.19,4537.82) 131.38,4523.63 R14.1 ; v1(255.19,614.82) 419.53,450.48 R15.1
  Top Layer w20: R14.1 Q47.1
  Bottom Layer w10: v1(117.19,4537.82) 117.19,3135.82 255.19,2997.82 v1(255.19,614.82)
T6: Q56.1 R16.1 R19.1 | length 3066.9
  Top Layer w20: v1(61.19,2016.82) 61.19,3162.97 87.19,3188.97 R19.1 175.19,3188.98 Q56.1 ; v1(276.19,450.82) 300.19,450.82 331.34,419.66 R16.1
  Bottom Layer w20: v1(61.19,2016.82) 61.19,665.82 v1(276.19,450.82)
T7: Q65.1 R17.1 R20.1 | length 1714.1
  Top Layer w10: Q65.1 v1(289.19,1929.13) ; R17.1 v1(241.58,545.21)
  Top Layer w20: R20.1 175.19,1929.13 Q65.1
  Bottom Layer w10: v1(241.58,545.21) 289.19,592.82 v1(289.19,1929.13)
T8: Q74.1 R18.1 R21.1 | length 521.9
  Top Layer w10: R21.1 102.4,748.03 87.19,732.82 87.19,430.53 125.19,392.53 R18.1
  Top Layer w20: R21.1 175.19,748.03 Q74.1
TX3.3V: P1.3 Q10.2 R5.1 | length 1370
  Top Layer w10: v1(2617.19,327.82) 2761.19,471.82 2988.19,471.82 3043.52,416.48 R5.1 ; P1.3 2987.21,63.41 2987.21,168.46 Q10.2
  Bottom Layer w10: v1(2617.19,327.82) 2617.19,51.82 2717.19,-48.18 2875.61,-48.18 P1.3
TX5V: Q10.3 R2.1 U3.2 | length 5393.9
  Top Layer w10: v1(1300.19,-21.18) 1320.2,-1.17 U3.2 ; v1(2719.19,891.82) 3138.19,472.82 3147.56,160.45 R2.1
  Top Layer w20: Q10.3 3100.19,207.83 3147.56,160.45
  Bottom Layer w10: v1(1300.19,-21.18) 1230.41,48.6 1172.19,48.6 1110.41,-13.18 525.19,-13.18 441.19,-97.18 394.19,-88.18 394.19,99.82 535.19,240.82 535.19,486.82 465.19,556.82 465.19,810.82 546.19,891.82 v1(2719.19,891.82)
pads on no net: IC1.9 P2.2 Q18.3 Q21.3 Q27.3 Q36.3 Q45.3 Q54.3 Q63.3 Q72.3 U2.7 U3.1 U3.5 U3.6 U3.16 U3.17 U3.19 U3.20

## Keep-outs
Keep-Out Layer:
  the board outline again, w5.91